# Altium PCB WiCL.PcbDoc (part 1 of 2)
Units mm, origin at the board's own origin, x right, y up, seen from the top; angles counter-clockwise.
Board outline 88.6 x 53.6 mm, 4 copper layers (L1_Top, L2_GND, L3_PWR_GND, L4_Bot), stack 1.104 mm thick; 143 components, 94 nets, 506 pads, 447 vias.
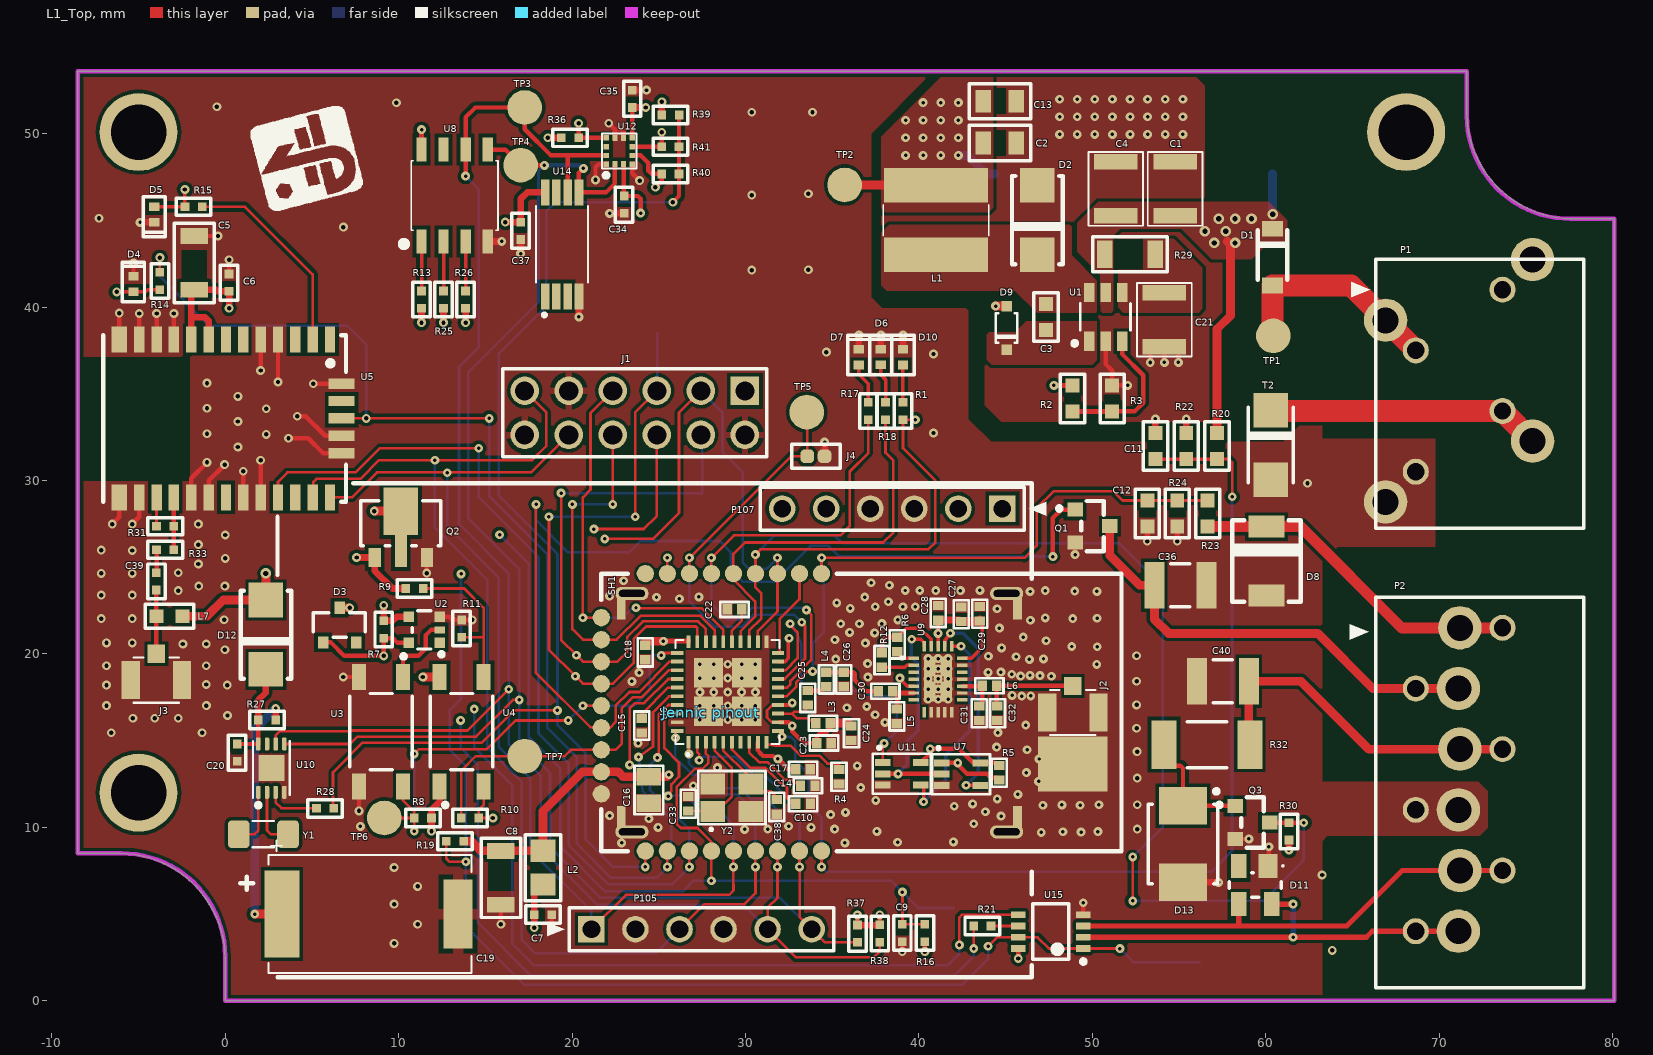
[diagram p0: L1_Top view]
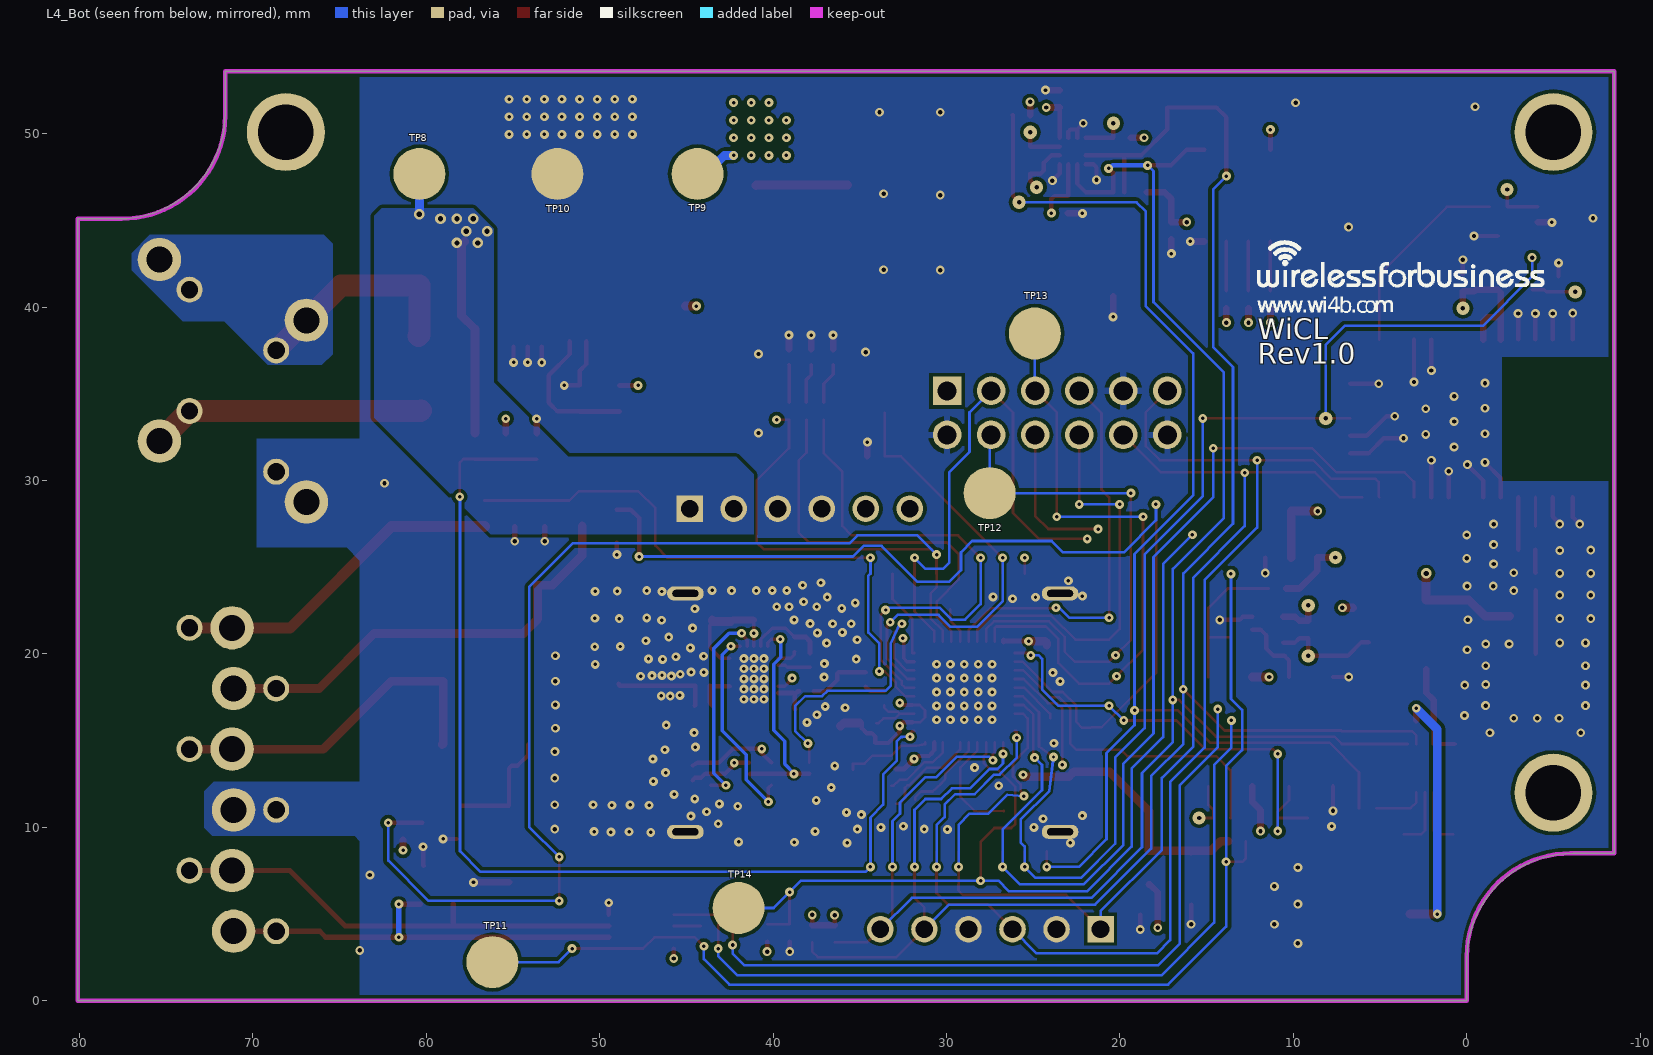
[diagram p1: L4_Bot view, seen from below]
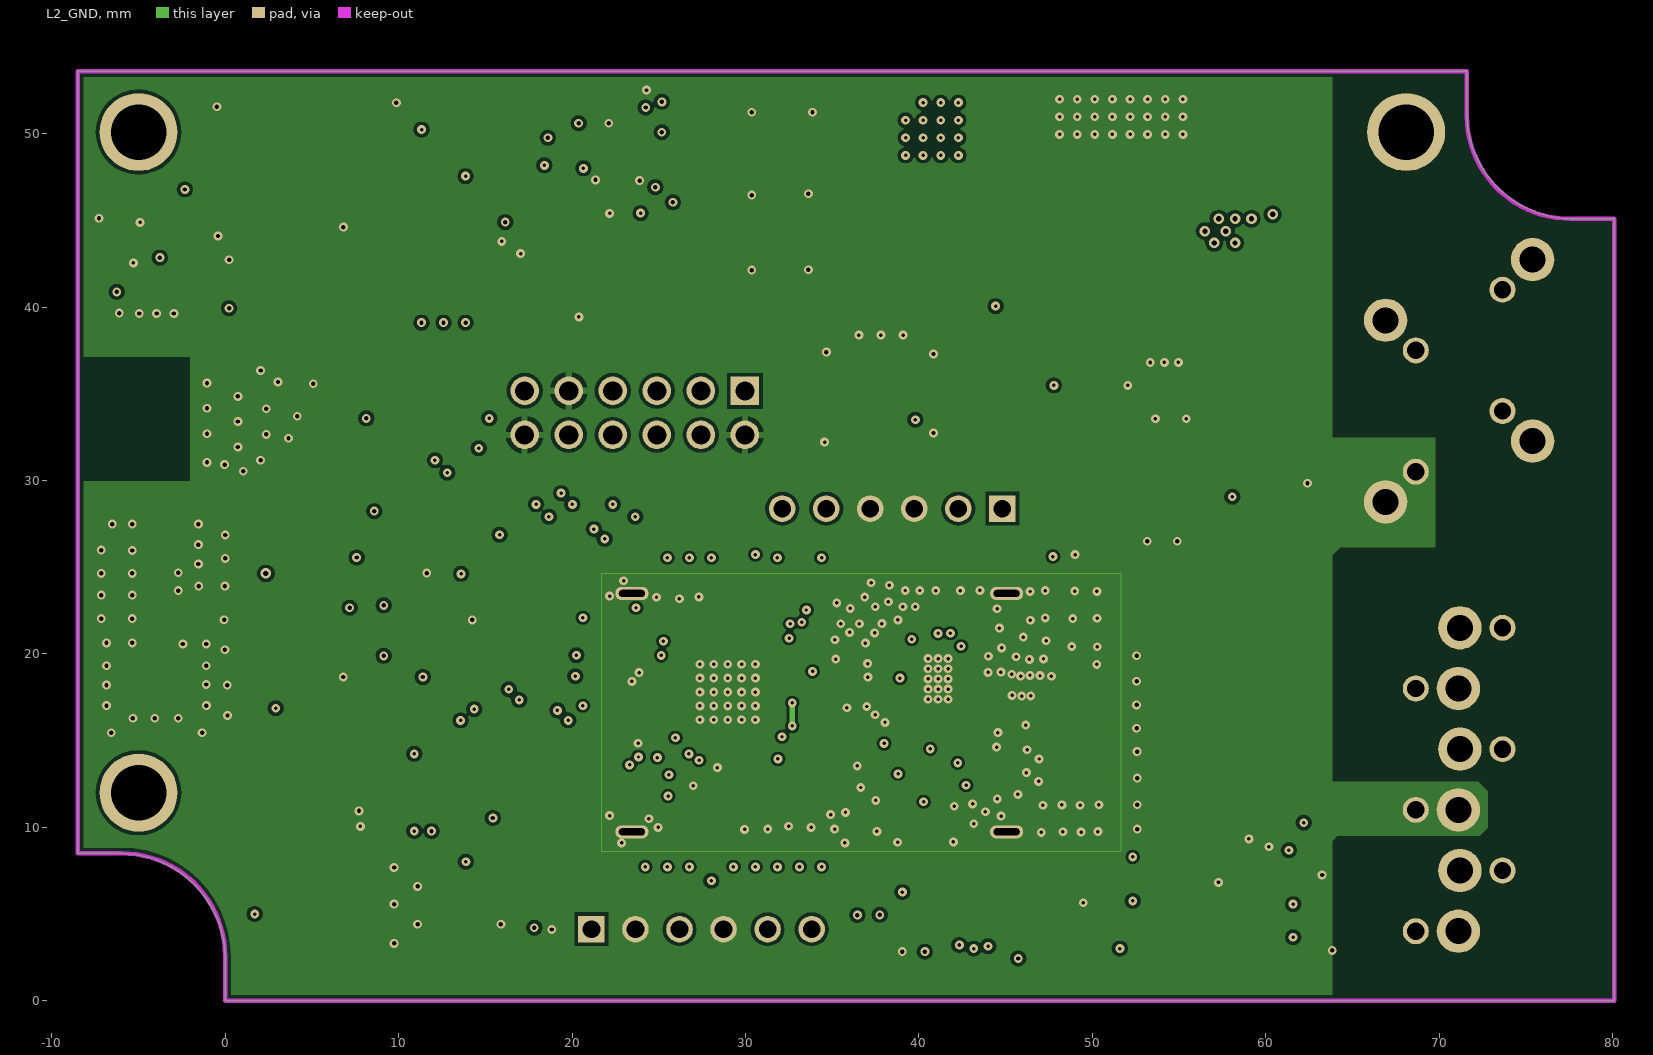
[diagram p2: L2_GND]
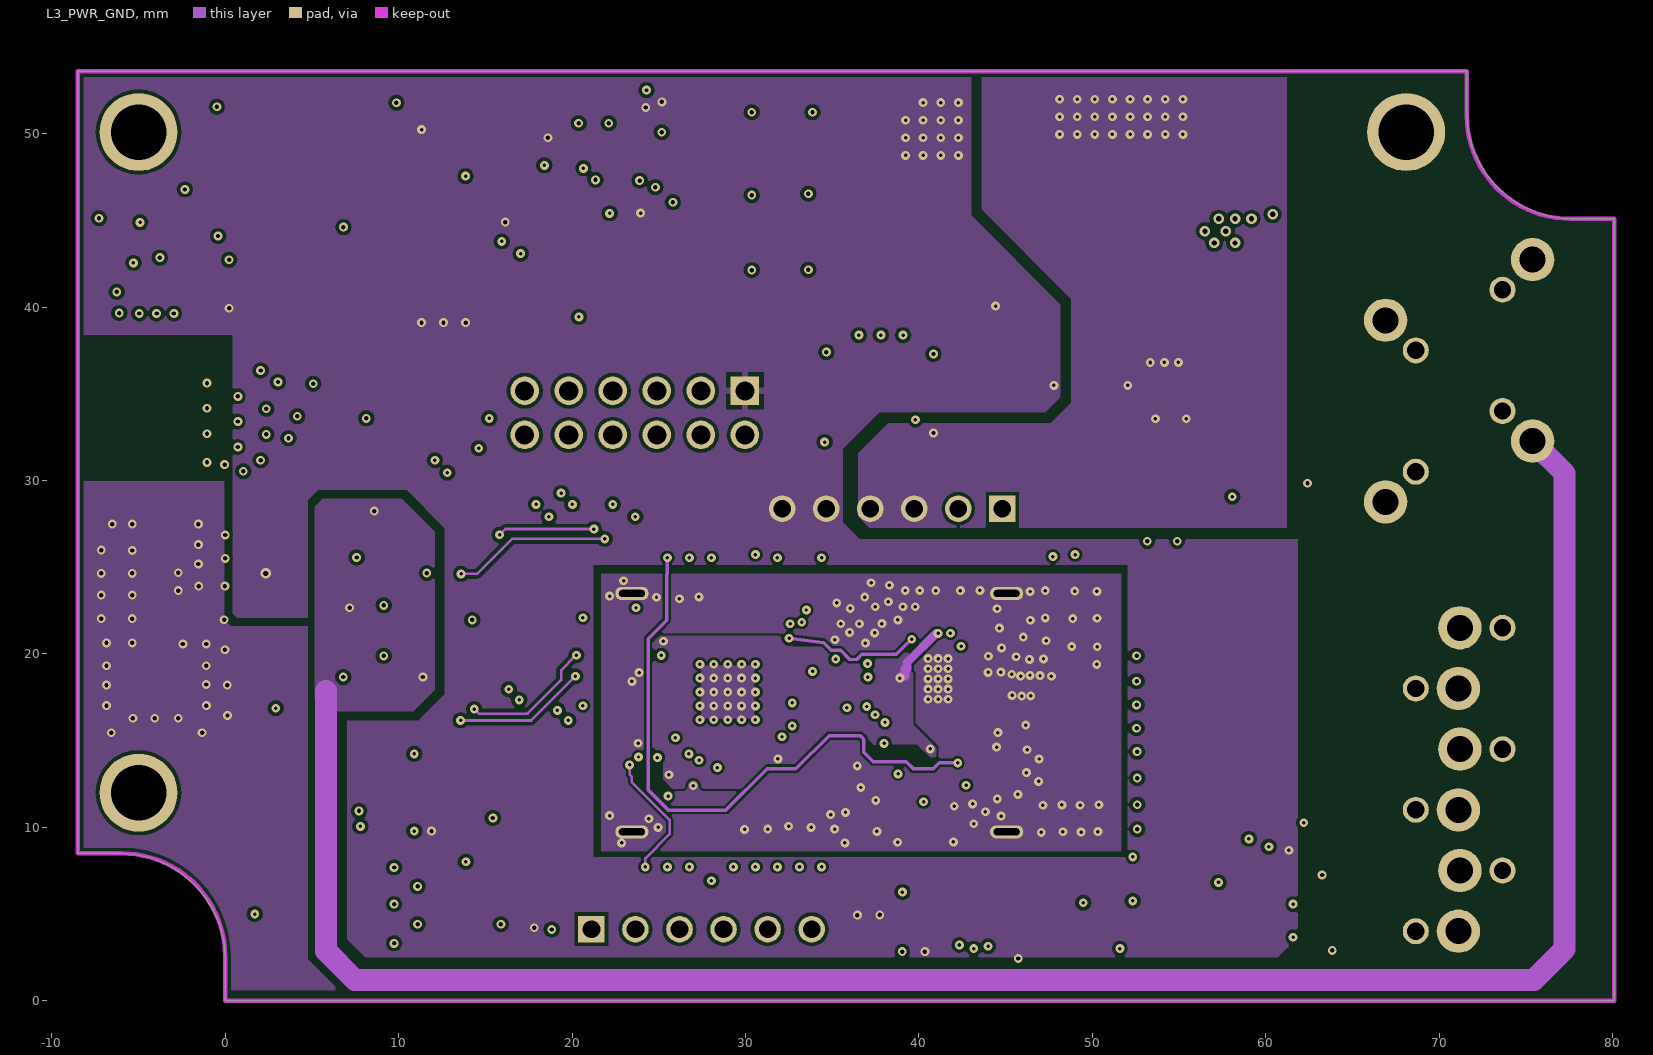
[diagram p3: L3_PWR_GND]

## Layer stack, top to bottom
Top_SM: solder mask 0.0127, Solder Resist, Dk 3.5
L1_Top: signal copper 0.0348
PRE-PREG  2 X 2116: prepreg 0.2286, FR-4, Dk 4.2
L2_GND: signal copper 0.0348
CORE 3 X 7628: core 0.508, Dk 4.2
L3_PWR_GND: signal copper 0.0348
PRE-PREG  2 X 2116: prepreg 0.2286, FR-4, Dk 4.2
L4_Bot: signal copper 0.0348
Bot_SM: solder mask 0.0127, Solder Resist, Dk 3.5

## Board outline
-6.112,8.5 cw(c-6.112,2.388) 0,2.388 0,0 80.1,0 80.1,45.1 77.712,45.1 cw(c77.712,51.212) 71.6,51.212 71.6,53.6 -8.5,53.6 -8.5,8.5

## Design rules (kind name [scope] priority, off if disabled: settings)
Clearance Clearance_NetC25_2 [InNet('NetC25_2')] p1: gap=0.152 ignorepadtopadclearanceinfootprint=FALSE except(0.15: Arc-SMDPad Track-SMDPad)
Clearance Clearance_NET [InNet('DALI_P')or InNet('ZG_ANA_IO')] p2: gap=0.203 ignorepadtopadclearanceinfootprint=FALSE
Clearance Clearance_U14 [InComponent('U14')] p3: gap=0.2 ignorepadtopadclearanceinfootprint=FALSE except(0: Arc-Hole Track-Hole SMDPad-Hole THPad-Hole Via-Hole Fill-Hole Poly-Hole Region-Hole Text-Hole; 0.127: SMDPad-SMDPad)
Clearance Clearance_Module_blk [All vs WithinRoom('Module_blk')] p4: gap=0.15 ignorepadtopadclearanceinfootprint=FALSE
Clearance [All] p5: gap=0.2 ignorepadtopadclearanceinfootprint=FALSE except(0: Arc-Hole Track-Hole SMDPad-Hole THPad-Hole Via-Hole Fill-Hole Poly-Hole Region-Hole Text-Hole)
ComponentClearance [All] p1: gap=0 collisioncheckmode=3 verticalgap=0 showdistances=FALSE
DiffPairsRouting [All] p1: maxlimit=0.33 minlimit=0.33 mostfreqgap=0.33 toplayer_minwidth=0.254 toplayer_maxwidth=0.254 toplayer_prefwidth=0.254 midlayer1_minwidth=0.254 midlayer1_maxwidth=0.254 midlayer1_prefwidth=0.254 midlayer2_minwidth=0.254 midlayer2_maxwidth=0.254 midlayer2_prefwidth=0.254 bottomlayer_minwidth=0.254 bottomlayer_maxwidth=0.254 bottomlayer_prefwidth=0.254 maxuncoupledlength=12.7
FabricationTestPointUsage TestPointUsage [All] p1: valid=0 allowmultiple=FALSE
FabricationTestpoint Testpoint [All] p1: side=2 testpointundercomponent=FALSE minsize=1.016 maxsize=2.54 preferedsize=1.524 minholesize=0 maxholesize=1.016 preferedholesize=0.813 testpointgrid=0.025 allowsidebottom=TRUE usegrid=FALSE gridtolerance=0 minspacing=1.016 compbodyclearance=1.016 boardedgeclearance=1.016
HoleSize [All] p1: absolutevalues=TRUE maxlimit=40.64 minlimit=0.025 maxpercent=80.000 minpercent=20.000
NetAntennae [All] p1: netantennaetolerance=0.025
PlaneClearance PlaneClearance_Module [WithinRoom('Module_blk')] p1: clearance=0.305
PlaneClearance [All] p2: clearance=0.6
PlaneConnect [All] p1: planeconnectstyle=Direct reliefexpansion=0.508 reliefentries=4 reliefconductorwidth=0.254 reliefairgap=0.254
PolygonConnect PolygonConnect_J1 [InComponent('J1')] p1: thpad.connectstyle=Relief thpad.reliefconductorwidth=0.381 thpad.reliefentries=4 thpad.polygonreliefangle="90 Angle" thpad.airgapwidth=0.254 smdpad.connectstyle=Relief smdpad.reliefconductorwidth=0.254 smdpad.reliefentries=4 smdpad.polygonreliefangle="90 Angle" smdpad.airgapwidth=0.254 via.connectstyle=Relief via.reliefconductorwidth=0.254 via.reliefentries=4 via.polygonreliefangle="90 Angle" via.airgapwidth=0.254
PolygonConnect PolygonConnect_C19 [InComponent('C19')] p2: thpad.connectstyle=Relief thpad.reliefconductorwidth=0.254 thpad.reliefentries=4 thpad.polygonreliefangle="90 Angle" thpad.airgapwidth=0.254 smdpad.connectstyle=Relief smdpad.reliefconductorwidth=0.635 smdpad.reliefentries=4 smdpad.polygonreliefangle="90 Angle" smdpad.airgapwidth=0.254 via.connectstyle=Relief via.reliefconductorwidth=0.254 via.reliefentries=4 via.polygonreliefangle="90 Angle" via.airgapwidth=0.254
PolygonConnect [All] p3: connectstyle=Direct reliefconductorwidth=0.3 reliefentries=4 polygonreliefangle="90 Angle" airgapwidth=0.3
RoomDefinition Module_blk [InComponentClass('Module_blk')] p1: confinementstyle=ConfineIn formatcopy=TRUE lockcomponents=FALSE outline 20.456,7.299 52.384,7.299 52.384,25.918 20.456,25.918
RoutingVias [All] p1: holewidth=0.203 width=0.508 viastyle="Through Hole" minholewidth=0.178 minwidth=0.508 maxholewidth=0.457 maxwidth=0.762
SolderMaskExpansion SolderMaskExpansion_VIA [IsVia] p1: expansion=-0.254 istentingtop=FALSE
SolderMaskExpansion [All] p2: expansion=0.102 istentingtop=FALSE
Width Power [(InNetClass('Power') OR InNetClass('Power_Sig') )] p1: maxlimit=5.08 minlimit=0.254 preferedwidth=0.508 midlayer2_minwidth=0.305 minimp=50.000000 maximp=50.000000 favimp=50.000000
Width Default [All] p2: maxlimit=2.032 minlimit=0.127 preferedwidth=0.178 midlayer2_minwidth=0.152 midlayer2_maxwidth=0.635 minimp=50.000000 maximp=50.000000 favimp=50.000000
Width 50ohms [InNetClass('RF')] p3: maxlimit=0.356 minlimit=0.203 preferedwidth=0.356 minimp=50.000000 maximp=50.000000 favimp=50.000000
22 further rules are at their usual default settings.

## Classes and differential pairs
net class "50 OHMS": NetC39_1 NetC39_2 RF_ANT RF_IN
component class Digital: C36 C40 D13 Q1 Q3 R30 R32
net class 50Ohms: ANT1 RF_PORT RF_PORT_L UFL_ANT
component class Module_blk: C10 C14 C15 C16 C17 C18 C22 C23 C24 C25 C26 C27 C28 C29 C30 C31 C32 C33 C38 J2 "Jennic pinout" L3 L4 L5 L6 R4 R5 R6 R12 SH1 U6 U7 U9 U11 Y2
component class RTC: C19 C20 D12 R27 R28 U10 Y1
component class TopDsnBlk: D1 J1 P1 P2 P105 P107 TP1 TP2 TP3 TP4 TP6 TP7 TP8 TP9 TP10 TP11 TP12 TP13 TP14
component class PSU: C1 C2 C3 C4 C13 C21 D2 D9 L1 R2 R3 R29 U1
component class JENIC: C7 C8 C9 C11 C12 D6 D7 D8 D10 D11 J4 L2 R1 R16 R17 R18 R19 R20 R21 R22 R23 R24 TP5 U15
component class "I2C Devs": C34 C35 C37 R13 R25 R26 R36 R37 R38 R39 R40 R41 U8 U12 U14
component class GPS: C5 C6 C39 D4 D5 J3 L7 R14 R15 R31 R33 U5
component class DALI_PHY: D3 Q2 R7 R8 R9 R10 R11 T2 U2 U3 U4

## Components (designator, comment, footprint, x,y, rotation, side; value= is the part's Value field where it differs from the comment)
C1 "*" C1210 54.783,46.829 r90 top value=4.7µF
C2 "*" C0805 44.674,49.47 r0 top value=10µF
C3 "*" C0603 47.341,39.437 r90 top value=0.1uF
C4 "*" C1210 51.354,46.829 r90 top value=4.7µF
C5 "GRM31CR71C106KAC7L" C1206 -1.786,42.553 r90 top value=10µF
C6 "GRM155R71H104ME14D" C0402 0.22,41.41 r90 top value=0.10µF
C7 "GRM155R71H104ME14D" C0402 18.325,4.969 r0 top value=0.10µF
C8 "GRM31CR71C106KAC7L" C1206 15.895,7.089 r270 top value=10µF
C9 "GRM155R71H104ME14D" C0402 39.05,3.906 r270 top value=0.10µF
C10 "GRM155R61A104KA01D" C0402_1 33.328,11.356 r180 top value=0.1µF
C11 "GCM188R71H224KA64D" C0603 53.643,31.992 r90 top value=0.22µF
C12 "GCM188R71H224KA64D" C0603 53.179,28.103 r270 top value=0.22µF
C13 "*" C0805 44.674,51.883 r0 top value=10µF
C14 "GRM155R71E103KA01D" C0402_1 33.599,12.404 r180 top value=10000pF
C15 "GRM155R61A104KA01D" C0402_1 24.021,15.869 r90 top value=0.1µF
C16 "GRT21BR61A106KE01L" C0805_1 24.429,12.163 r270 top value=10µF
C17 "GRM155R61A104KA01D" C0402_1 33.322,13.359 r180 top value=0.1µF
C18 "GRM155R61A104KA01D" C0402_1 24.225,20.091 r90 top value=0.1µF
C19 "DSK-3R3H334T-HL" ELNA_DSK-3R3H334T-HL 8.349,5.004 r90 top value=330mF
C20 "GRM155R71H104ME14D" C0402 0.687,14.305 r270 top value=0.10µF
C21 "*" C1210 54.161,39.275 r270 top value=4.7µF
C22 "GRM155R61A104KA01D" C0402_1 29.37,22.568 r0 top value=0.1µF
C23 "GRM155R61A104KA01D" C0402_1 34.532,14.864 r180 top value=0.1µF
C24 "GRM1555C1H470JA01D" C0402_1 36.114,15.426 r270 top value=47pF
C25 "GRM1555C1H1R8CA01D" C0402_1 33.604,17.471 r270 top value=1.8pF
C26 "GRM1555C1H1R0CA01D" C0402_1 35.664,18.532 r270 top value=1pF
C27 "GRM155R61A104KA01D" C0402_1 42.439,22.288 r90 top value=0.1µF
C28 "GRM1555C1H100JA01D" C0402_1 41.124,22.371 r90 top value=10pF
C29 "GRM1555C1H100JA01D" C0402_1 43.52,22.321 r90 top value=10pF
C30 "GRM1555C1H1R2CA01D" C0402_1 38.075,17.855 r0 top value=1.2pF
C31 "GRM1555C1H1R2CA01D" C0402_1 43.479,16.581 r90 top value=1.2pF
C32 "GRM1555C1H1R2CA01D" C0402_1 44.535,16.585 r90 top value=1.2pF
C33 "GRM1555C1H120JA01D" C0402_1 26.7,11.367 r90 top value=12pF
C34 "GRM155R71H104ME14D" C0402 23.004,45.911 r270 top value=0.10µF
C35 "GRM155R71H104ME14D" C0402 23.475,52.018 r90 top value=0.10µF
C36 "CAP 22nF 500V 1210(3225)" CAPC1210(3225)190_N 55.083,23.963 r180 top value=22nF
C37 "GRM155R71H104ME14D" C0402 17.035,44.408 r270 top value=0.10µF
C38 "GRM1555C1H120JA01D" C0402_1 31.813,11.182 r270 top value=12pF
C39 "GRM1555C1H220JA01J" C0402 -3.971,24.189 r270 top value=22pF
C40 "CAP 22nF 500V 1210(3225)" CAPC1210(3225)190_N 57.532,18.43 r0 top value=22nF
D1 "MBR0520L" SOD123 60.376,42.893 r270 top
D2 "*" "DO-214AC, SMA" 46.833,45.025 r90 top value=B140-13-F
D3 "BZX84-C3V0,215" SOT-23(TO-236AB) 6.597,21.667 r0 top
D4 "*" LED0402(BLUE) -5.292,41.334 r270 top value=Blue
D5 "*" LED0402(GREEN) -4.091,45.34 r90 top value=green
D6 "VLMB1500-GS08" LED0402(BLUE) 37.812,37.123 r270 top value=Blue
D7 "VLMS1500-GS08" LED0402(RED) 36.541,37.121 r270 top value=Red
D8 "SMBJ33A-TP" "DO-214AA, SMB" 60.047,25.366 r270 top
D9 "1N4448WS-7-F" SOD-323 45.055,38.802 r90 top
D10 "XZVG68W-2" LED0402(GREEN) 39.088,37.12 r270 top value=green
D11 "SP0503BAHTG" LFUS-SOT143-4_V 59.4,6.675 r270 top
D12 "*" "DO-214AC, SMA" 2.343,21.114 r90 top value=B140-13-F
D13 "SZ1SMB5925BT3G" ONSC-SMB-2-403A-03_H_V 55.237,9.037 r270 top
J1 "*" 61301221121 23.62,35.179 r180 top value=61301221121
J2 "U.FL-R-SMT-1(80)" HIROSE_U.FL-R-SMT 48.879,16.63 r180 top
J3 "U.FL-R-SMT-1(10)" U.FL-R-SMT-1(10) -3.971,18.491 r180 top
J4 "0603 Jumper" "0603 Jumper" 34.066,31.403 r0 top
"Jennic pinout" "Jennic pinout" "JN516X PINOUT" 28.038,16.634 r270 top locked
L1 "*" MSS6132-153MLC 40.991,45.025 r90 top value=15uH
L2 "BLM21PG121SN1D" "0805 INDUCTOR" 18.325,7.68 r270 top value="120 Ohm"
L3 "LQP15MN3N0B02D" C0402_1 34.469,16.015 r180 top value=3nH
L4 "LQP15MN4N3B02D" C0402_1 34.671,18.532 r90 top value=4.3nH
L5 "LQP15MN5N1B02D" C0402_1 38.737,16.401 r270 top value=5.1nH
L6 "LQP15MN2N7B02D" C0402_1 44.074,18.165 r180 top value=2.7nH
L7 "LQP18MN33NG02D" "0603 INDUCTOR" -3.221,22.174 r180 top value=33nH
P1 "1985218" "1985218 (4pin)" 73.66,41.011 r90 top locked
P2 "1985234" "1985234 (6 PIN)" 71.16,12.761 r90 top
P105 "0022284060" HDR1X6 27.468,4.129 r0 top
P107 "0022284060" HDR1X6 38.468,28.379 r180 top
Q1 "NUD3124LT1G" SOT-23-3 50.012,27.375 r270 top
Q2 "BCX56-16,115" "SOT 89-3" 10.126,26.9 r0 top
Q3 "NUD3124LT1G" SOT-23-3 59.238,10.282 r270 top
R1 "MCS04020C1001FE000" R0402 39.086,34.009 r270 top value=1k
R2 "*" R0603 48.866,34.738 r90 top value=31.6k
R3 "ERJ-3EKF1002V" R0603 51.151,34.738 r270 top value=10k
R4 "RC0402FR-0743KL" C0402_1 35.397,12.916 r90 top value=43k
R5 "RC0402FR-0747KL" C0402_1 44.634,13.147 r90 top value=47k
R6 "RC0402FR-071K5L" C0402_1 38.761,20.553 r270 top value=1.5k
R7 "ERJ-2RKF4220X" R0402 9.137,21.413 r90 top value=422
R8 "RT0402FRE074K7L" R0402 11.397,10.542 r0 top value=4.7k
R9 "CRCW0402330RFKED" R0402 10.914,23.776 r0 top value=330
R10 "CRCW0402330RFKED" R0402 14.115,10.542 r180 top value=330
R11 "MCS04020C1001FE000" R0402 13.632,21.464 r270 top value=1k
R12 "RC0402FR-071K2L" C0402_1 37.873,19.648 r270 top value=1.2k
R13 "MCS04020C1001FE000" R0402 11.32,40.436 r90 top value=1k
R14 "CRCW0402330RFKED" R0402 -3.768,41.512 r90 top value=330
R15 "CRCW0402330RFKED" R0402 -1.825,45.79 r0 top value=330
R16 "MCS04020C4701FE000" R0402 40.347,3.913 r270 top value=4.7k
R17 "MCS04020C1001FE000" R0402 37.091,34.009 r270 top value=1k
R18 "MCS04020C1001FE000" R0402 38.08,34.01 r270 top value=1k
R19 "RC0402FR-0747KL" R0402 13.251,9.202 r0 top value=47k
R20 "ERA-3AEB683V" R0603 57.199,31.992 r90 top value=68k
R21 "*" R0402 43.663,4.313 r0 top value=0.0
R22 "ERA-3AEB562V" R0603 55.421,31.992 r270 top value=5.6k
R23 "ERA-3AEB683V" R0603 56.659,28.103 r90 top value=68k
R24 "ERA-3AEB562V" R0603 54.906,28.103 r90 top value=5.6k
R25 "MCS04020C1001FE000" R0402 12.59,40.436 r90 top value=1k
R26 "MCS04020C1001FE000" R0402 13.86,40.436 r90 top value=1k
R27 "*" R0402 2.409,16.192 r0 top value=0.0
R28 "CRCW0402330RFKED" R0402 5.76,11.097 r0 top value=330
R29 "*" R1206 52.18,43.052 r180 top value=1k
R30 "MCS04020C1001FE000" R0402 61.345,9.771 r270 top value=1k
R31 "MCS04020Z0000ZE000" R0402 -3.463,27.364 r0 top value=0.0
R32 "CRCW2010470RJNEF" FP-CRCW2010-e3-MFG 56.615,14.772 r0 top
R33 "MCS04020Z0000ZE000" R0402 -3.463,26.01 r180 top value=0.0
R36 "MCS04020C1001FE000" R0402 19.88,49.767 r180 top value=1k
R37 "MCS04020C1001FE000" R0402 36.459,3.867 r90 top value=1k